# Altium PCB esp32.PcbDoc (part 2 of 2)
Units mil, origin at the board's own origin, x right, y up, seen from the top; angles counter-clockwise.
Board outline 2700 x 1000 mil, 4 copper layers (L1, L2, L3, L4), stack 61.59 mil thick; 63 components, 73 nets, 297 pads, 143 vias.
Unrouted connection lines stored in the file: 1.
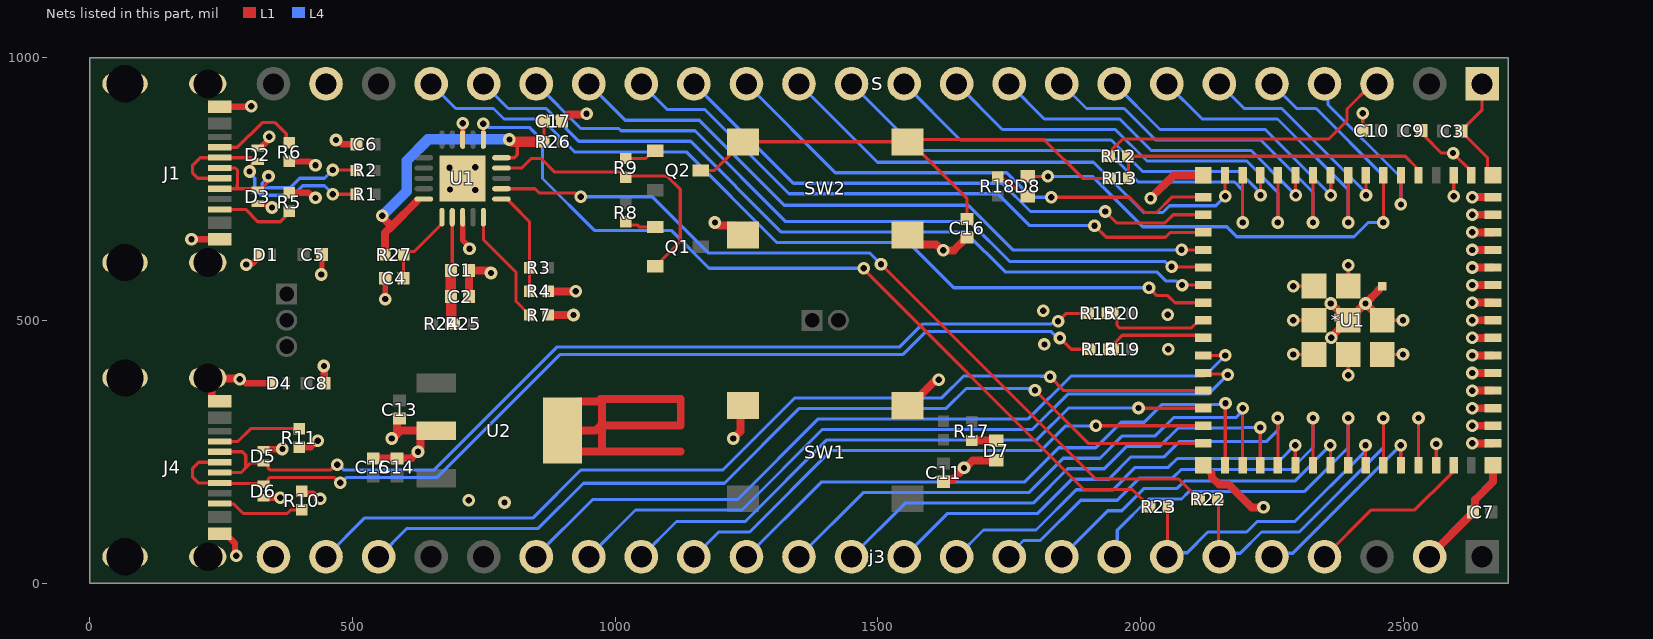
[diagram p4: the nets of this part, all layers, seen from the top]

## Via types
v1: diameter 24, hole 12, L1 to L4, tented both sides, 143 vias

## Nets (pads, with @x,y where several pads share a name; then routed paths per layer and width w, separated by ;. In a path a pad name is that pad's centre, name@x,y a point inside that pad or via, vN(x,y) a via of type N, cw(c..) or ccw(c..) an arc to the next point about the centre after c; other vN are vias at no path point) (continued)
GND: *U1.1 *U1.2 *U1.42 *U1.43 *U1.46 *U1.47 *U1.48 *U1.49 *U1.50 *U1.51 *U1.52 *U1.53 *U1.54 *U1.55 *U1.56 *U1.57 *U1.58 *U1.59 *U1.60 *U1.61 *U1.62 *U1.63 *U1.64 *U1.65 *U1.66 *U1.67 *U1.68 *U1.69 *U1.70 *U1.71 *U1.72 *U1.73 C1.1 C2.1 C3.1 C4.1 C5.1 C6.1 C7.1 C8.1 C9.1 C10.1 C11.1 C13.1 C14.1 C15.1 C16.1 C17.1 D1.1 D2.1 D3.1 D4.1 D5.1 D6.1 D7.1 J1.A1B12 J1.B1A12 J1.S1 J1.S2 J1.S3 J1.S4 j3.2 j3.24 J4.A1B12 J4.B1A12 J4.S1 J4.S2 J4.S3 J4.S4 R4.1 R5.1 R6.1 R7.1 R10.1 R11.1 S.1 S.23 SW1.1 SW1.2 SW2.1 SW2.2 U1.3 U1.13 U1.21 U2.2 U2.4 | length 4965.7
  L1 w6: v1(2290.62,435.04) *U1.73@2330.08,435.04 ; v1(2290.62,500) *U1.72@2330.08,500 ; v1(2290.62,564.96) *U1.71@2330.08,564.96 ; v1(2395.04,395.58) *U1.70@2395.04,435.04 ; *U1.69@2395.04,564.96 v1(2395.04,604.42) ; C10.1@2422.68,861 v1(2422.68,893.68) ; *U1.68@2460,435.04 v1(2499.46,435.04) ; *U1.67@2460,500 v1(2499.46,500) ; *U1.42@2528.9,224.41 v1(2528.9,314.04) ; C9.1@2534.32,861 2540.81,854.51 2540.81,849.95 2572.62,818.15 v1(2594.61,818.15) 2629.29,783.46 *U1.1@2629.29,775.59 ; *U1.43@2562.18,224.72 2562.68,225.22 v1(2562.68,264.68) ; v1(2595.83,736.13) *U1.2@2595.83,775.59 ; C3.1@2610.32,860 2610.32,859.29 2659.88,809.73 2659.88,786.34 *U1.62@2670.63,775.59 ; C3.1@2610.32,860.71 2650,900.39 S.1@2650,950
  L1 w10.01: v1(441,587) 442.32,588.32 C5.1@442.32,625 ; C4.1@562.68,580 v1(562.68,540.32) v1@563,540 ; U1.13@710,696.18 710,652.79 723,639.79 v1(723,636) ; U1.3@710,843.82 v1(710,875) ; v1@943.61,893 v1@948,893
  L1 w12: v1(194,654) J1.B1A12@247.61,653.97 ; J4.B1A12@247.64,94.09 258.46,94.09 276.7,75.85 276.7,54.3 v1(279,52) ; J1.A1B12@247.64,905.91 248.18,906.45 307.45,906.45 v1(308,907) ; v1(286,388) 289.25,388 297.25,380 D4.1@348.2,380 ; v1(298,606) 300.3,608.3 310.42,608.3 322.2,620.08 D1.1@322.2,625 ; D3.1@320,722.2 320.89,721.32 337.17,721.32 343.93,714.56 v1(347.17,714.56) ; D2.1@320,827.8 324.92,827.8 339.7,842.58 339.7,846.7 v1(342,849) ; D6.1@331,162.2 331.4,162.6 331.8,162.2 v1(363,162.2) ; D5.1@331,253.8 331.6,254.4 366.4,254.4 v1(367,255) ; R5.1@380,742.72 416.81,742.72 426.75,732.77 v1(430,732.77) ; R6.1@380,802.28 419.47,802.28 426.75,795 v1(430,795) ; R11.1@399,258.28 421.28,258.28 v1(434,271) ; R10.1@404,174.72 408.83,169.89 425.86,169.89 435.75,160 v1(439,160) ; v1(469,843) 472.25,843 480.25,835 C6.1@507.68,835
  L1 w15: J4.S1@225,390.16 232.5,382.66 232.5,350.37 J4.A1B12@236.81,346.06 ; J4.S1@232.5,389.08 284.92,389.08 v1(286,388) ; v1@362.6,161.81 v1(363,162.2) ; v1@366.9,254.9 v1(367,255) ; v1(446,413) 446.66,412.34 446.66,380.66 C8.1@447.32,380 ; C15.1@540,237.32 C14.1@585,237.32 612.32,237.32 v1(625,250) 625,252.44 630.02,257.46 630.02,279.78 U2.2@640.24,290 ; v1(575,275) 577.44,275 592.44,290 U2.2@659.92,290 ; 585.3,287.73 585.3,308.69 589.29,312.68 C13.1@590,312.68 ; C2.1@722.32,545 C1.1@722.32,595 759,595 v1(764,590) ; R7.1@872.72,510 v1(921,510) ; R4.1@872.72,555 v1(925,555) ; C17.1@899.32,879 899.32,879.71 903.31,883.7 904.03,883.7 911.6,891.28 944.08,891.28 v1(945.81,893) v1@943.61,893 ; 1125,250 1075,250 1025,250 975,250 ; v1(1190,686) 1192.44,686 1197.94,680.49 1225.41,680.49 SW2.2@1243.5,662.4 ; v1(1225,275) 1238.58,288.58 1238.58,332.68 SW1.1@1243.5,337.6 ; SW1.2@1556.5,337.6 1561.42,337.6 1610.82,387 v1(1616,387) ; SW2.1@1556.5,662.4 1574.59,644.31 1611.25,644.31 1622.06,633.5 v1(1624.5,633.5) ; C11.1@1625,192.68 1628.99,196.67 1642.79,196.67 1664,217.88 v1(1664,219) 1666.44,219 1680.73,233.3 D7.1@1725,233.3 ; v1@1625,633 1644.61,633 1669.29,657.68 C16.1@1670,657.68 ; v1(2019,732) 2062.59,775.59 *U1.63@2119.45,775.59 ; *U1.64@2119.45,224.41 2135.41,208.44 2135.41,201.41 2149.5,187.33 2167.67,187.33 2211,144 v1(2234,144) ; v1(2362,532) 2363.04,532 *U1.61@2395.04,500 ; v1(2363,467) 2363,467.96 *U1.61@2395.04,500 ; *U1.67@2460,500 v1(2428,532) ; *U1.66@2460,564.96 2452.4,557.36 2452.4,556.4 v1(2428,532) ; j3.2@2550,50 2550,51.61 2632.68,134.29 C7.1@2632.68,135 2636.67,138.99 2636.67,158.67 2670.63,192.63 *U1.65@2670.63,224.41 ; v1(2631.17,265.75) *U1.46@2670.63,265.75 ; v1(2631.17,299.21) *U1.47@2670.63,299.21 ; v1(2631.17,332.68) *U1.48@2670.63,332.68 ; v1(2631.17,366.14) *U1.49@2670.63,366.14 ; v1(2631.17,399.61) *U1.50@2670.63,399.61 ; v1(2631.17,433.07) *U1.51@2670.63,433.07 ; v1(2631.17,466.54) *U1.52@2670.63,466.54 ; v1(2631.17,500) *U1.53@2670.63,500 ; v1(2631.17,533.46) *U1.54@2670.63,533.46 ; v1(2631.17,566.93) *U1.55@2670.63,566.93 ; v1(2631.17,600.39) *U1.56@2670.63,600.39 ; v1(2631.17,633.86) *U1.57@2670.63,633.86 ; v1(2631.17,667.32) *U1.58@2670.63,667.32 ; v1(2631.17,700.79) *U1.59@2670.63,700.79 ; v1(2631.17,734.25) *U1.60@2670.63,734.25 ; U2.4@900.08,290 900.08,315.59 929.98,345.49 968.06,345.49 972.56,350 975,350 ; U2.4@900.08,290 962.56,290 972.56,300 975,300 ; U2.4@900.08,290 900.08,279.9 929.98,250 975,250 ; 975,250 975,300 ; 975,300 975,350 ; 975,300 1025,300 1075,300 1125,300 1125,350 1075,350 1025,350 975,350 ; *U1.61@2395.04,500 2427.04,532 v1(2428,532)
  other v1: 789.51,153.18 721.33,157.45 2052.49,445.13 1817,454 2051.71,510.28 1815,518 734,748 686,749 685,790 734,791
GPIO0: *U1.4 R12.2 R13.2 | length 617.8
  L1 w6: R13.2@1977.72,770 1976.72,771 1976.72,811 R12.2@1975.72,812 2503.86,812 2526.02,789.84 2526.02,778.46 *U1.4@2528.9,775.59
GPIO0_BUTTON: C16.2 Q2.3 R13.1 SW2.3 SW2.4 | length 1029.2
  L1 w6: Q2.3@1163.31,785 1188.94,785 1217.99,814.06 1217.99,818.98 1238.58,839.57 SW2.4@1243.5,839.57 SW2.3@1556.5,839.57 1560.93,844 1815.73,844 1889.73,770 R13.1@1942.28,770 ; SW2.3@1561.42,839.57 1670,730.98 C16.2@1670,692.32
GPIO0_CON: R12.1 S.3 | length 584.2
  L1 w6: R12.1@1940.28,812 1946.11,817.83 1946.11,825.26 1965.85,845 2358,845 2392.88,879.88 2392.88,902.07 2440.82,950 S.3@2450,950
GPIO1: *U1.5 S.4 | length 345
  L1 w6: v1(2495.43,720.43) *U1.5@2495.43,775.59
  L4 w6: S.4@2350,950 2356.73,943.27 2356.73,910.27 2495.43,771.57 v1(2495.43,720.43)
GPIO2: *U1.6 D8.1 S.5 | length 1198.8
  L1 w6: D8.1@1785,773.7 v1(1823.7,773.7) ; v1(2461.97,685.96) *U1.6@2461.97,775.59
  L4 w6: v1(1823.7,773.7) 1908.3,773.7 2004,678 2164.03,678 2183.07,658.96 2406.22,658.96 2433.22,685.96 v1(2461.97,685.96) 2461.97,775.03 2334,903 2297,903 S.5@2250,950
GPIO3: *U1.7 S.6 | length 407.4
  L1 w6: *U1.7@2428.5,775.59 2428.75,775.34 2428.75,738.25 v1(2429,738)
  L4 w6: S.6@2150,950 2197,903 2268.72,903 2422.27,749.45 2422.27,748.52 2429,741.79 v1(2429,738)
GPIO4: *U1.8 S.7 | length 580.6
  L1 w6: v1(2395.04,685.96) *U1.8@2395.04,775.59
  L4 w6: S.7@2050,950 2117,883 2260.43,883 2395.04,748.39 v1(2395.04,685.96)
GPIO5: *U1.9 S.8 | length 537.1
  L1 w6: v1@2361.82,738.25 *U1.9@2361.82,775.34
  L4 w6: S.8@1950,950 2037,863 2237.28,863 2348.11,752.17 2348.11,751.96 v1(2362.07,738)
GPIO6: *U1.10 S.9 | length 711
  L1 w6: v1(2328.11,685.96) *U1.10@2328.11,775.59
  L4 w6: S.9@1850,950 1897,903 1968.72,903 2028.72,843 2229,843 2328.11,743.89 v1(2328.11,685.96)
GPIO7: *U1.11 S.10 | length 670.1
  L1 w6: v1@2294.89,738.25 *U1.11@2294.89,775.34
  L4 w6: S.10@1750,950 1817,883 1960.43,883 2020.43,823 2210.28,823 2281.18,752.1 2281.18,751.96 v1(2295.14,738)
GPIO8: *U1.12 S.11 | length 844.1
  L1 w6: v1(2261.18,685.96) *U1.12@2261.18,775.59
  L4 w6: S.11@1650,950 1737,863 1952.15,863 2012.15,803 2202,803 2261.18,743.82 v1(2261.18,685.96)
GPIO9: *U1.13 S.12 | length 805.5
  L1 w6: v1@2227.96,738.25 *U1.13@2227.96,775.34
  L4 w6: S.12@1550,950 1657,843 1943.86,843 2003.86,783 2187.28,783 2214.25,756.03 2214.25,755.73 2228.21,741.77 v1(2228.21,738)
GPIO10: *U1.14 S.13 | length 979.4
  L1 w6: v1(2194.25,685.96) *U1.14@2194.25,775.59
  L4 w6: S.13@1450,950 1577,823 1935.58,823 1995.58,763 2179,763 2194.25,747.75 v1(2194.25,685.96)
GPIO11: *U1.15 S.14 | length 965
  L1 w6: *U1.15@2160.79,775.59 2160.79,736.21 v1(2161,736)
  L4 w6: S.14@1350,950 1499.3,800.7 1910.3,800.7 2006,705 2042,705 2055,718 2143,718 v1(2161,736)
GPIO12: *U1.16 S.15 | length 983
  L1 w6: v1(1830,734) 1978.82,734 2007.82,705 2030.18,705 2059.44,734.25 *U1.16@2119.45,734.25
  L4 w6: S.15@1250,950 1419.3,780.7 1745,780.7 1791.7,734 v1(1830,734)
GPIO13: *U1.17 S.16 | length 1085.8
  L1 w6: v1(1933,707) 1955,685 2046.22,685 2062.01,700.79 *U1.17@2119.45,700.79
  L4 w6: S.16@1150,950 1339.3,760.7 1736.72,760.7 1790.42,707 v1(1933,707)
GPIO14: *U1.18 S.17 | length 1194.3
  L1 w6: v1(1912.34,680) 1934.34,658 2047.51,658 2056.83,667.32 *U1.18@2119.45,667.32
  L4 w6: S.17@1050,950 1099,901 1170.72,901 1331.01,740.7 1728.43,740.7 1789.13,680 v1(1912.34,680)
GPIO15: *U1.19 S.18 | length 1300.4
  L1 w6: v1(2078,634) 2078.07,633.93 *U1.19@2119.45,633.86 *U1.19@2119.45,633.86
  L4 w6: S.18@950,950 1019.5,880.5 1160.32,880.5 1322,718.82 1672,718.82 1756.82,634 v1(2078,634)
GPIO16: *U1.20 S.19 | length 1414.3
  L1 w6: v1(2059,602) 2059.8,601.2 2118.65,601.2 *U1.20@2119.45,600.39
  L4 w6: S.19@850,950 935,865 1006.72,865 1011.22,860.5 1152,860.5 1324.73,687.77 1674.77,687.77 1750.53,612 2046.14,612 2056.14,602 v1(2059,602)
GPIO17: *U1.21 S.20 | length 1528.1
  L1 w6: v1(2078.93,566.93) *U1.21@2119.45,566.93
  L4 w6: S.20@750,950 797,903 868.72,903 931.22,840.5 1143.72,840.5 1316.45,667.77 1666.48,667.77 1742.25,592 2030.82,592 2047.82,575 2067.07,575 2075.14,566.93 v1(2078.93,566.93)
GPIO18: *U1.22 S.21 | length 1642
  L1 w6: v1(2016,562) 2031,547 2052,547 2065.54,533.46 *U1.22@2119.45,533.46
  L4 w6: S.21@650,950 697,903 768.72,903 788.72,883 860.43,883 922.93,820.5 1135.43,820.5 1308.17,647.77 1559,647.77 1644.77,562 v1(2016,562)
GPIO21: *U1.25 j3.19 | length 1512.1
  L1 w6: *U1.25@2119.45,433.07 v1(2160.93,433.07)
  L4 w6: j3.19@850,50 850,51.72 957.28,159 1233.15,159 1386.5,312.35 1786.08,312.35 1867.73,394 2121.86,394 v1(2160.93,433.07)
GPIO26: *U1.26 j3.18 | length 1407.4
  L1 w6: *U1.26@2119.45,399.61 2121.25,397.8 2164.2,397.8 v1(2166,396)
  L4 w6: j3.18@950,50 1039,139 1241.43,139 1394.78,292.35 1794.36,292.35 1862.01,360 2130,360 v1(2166,396)
GPIO33: *U1.28 j3.17 | length 1186.8
  L1 w6: v1(1996,333) 1996.32,332.68 *U1.28@2119.45,332.68
  L4 w6: j3.17@1050,50 1117,117 1247.72,117 1403.07,272.35 1493.44,272.35 1802.65,272.35 1863.29,333 v1(1996,333)
GPIO34: *U1.29 j3.16 | length 1072.7
  L1 w6: v1(1915,299) 1915.21,299.21 *U1.29@2119.45,299.21
  L4 w6: j3.16@1150,50 1197,97 1256,97 1411.35,252.35 1810.93,252.35 1857.58,299 v1(1915,299)
GPIO35: *U1.31 j3.15 | length 1150.2
  L1 w6: *U1.31@2160.54,224.66 2161.16,225.28 2161.16,341.62 v1(2161.54,342)
  L4 w6: j3.15@1250,50 1392,192 1778.86,192 1844.38,257.52 1914.52,257.52 1963,306 2007.18,306 2041.18,340 2159.54,340 v1(2161.54,342)
GPIO36: *U1.32 j3.14 | length 1072.9
  L1 w6: *U1.32@2194.25,224.41 v1(2194.25,332.72)
  L4 w6: j3.14@1350,50 1472,172 1787.15,172 1852.67,237.52 1922.8,237.52 1965.28,280 2028.14,280 2063.14,315 2182.08,315 2187.93,320.86 2187.93,322.62 2194.25,328.94 v1(2194.25,332.72)
GPIO37: *U1.33 j3.13 | length 951.6
  L1 w6: *U1.33@2227.72,224.41 2227.72,295.72 v1(2228,296)
  L4 w6: j3.13@1450,50 1552,152 1795.43,152 1860.95,217.52 1931.09,217.52 1973.57,260 2036.43,260 2071.43,295 2190.36,295 2191.36,296 v1(2228,296)
GPIO38: *U1.34 j3.12 | length 923.7
  L1 w6: *U1.34@2261.18,224.41 v1(2261.18,314.04)
  L4 w6: j3.12@1550,50 1632,132 1803.72,132 1869.23,197.52 1939.37,197.52 1981.85,240 2044.71,240 2073.71,269 2239.18,269 2261.18,291 v1(2261.18,314.04)
GPIO39: *U1.35 j3.11 | length 769.1
  L1 w6: *U1.35@2294.4,224.66 v1@2294.4,261.75
  L4 w6: j3.11@1650,50 1701,101 1801,101 1877.52,177.52 1947.66,177.52 1990.14,220 2052.99,220 2069.99,237 2268.69,237 2293.69,262 v1(2294.15,262)
GPIO40: *U1.36 j3.10 | length 812.3
  L1 w6: *U1.36@2328.11,224.41 v1(2328.11,314.04)
  L4 w6: j3.10@1750,50 1750,53.82 1777.18,81 1809.28,81 1885.8,157.52 1955.94,157.52 1998.42,200 2061.28,200 2077.28,216 2286.33,216 2328.11,257.78 v1(2328.11,314.04)
GPIO41: *U1.37 j3.9 | length 636
  L1 w6: *U1.37@2361.33,224.66 v1@2361.33,261.75
  L4 w6: j3.9@1850,50 1937.52,137.52 1964.22,137.52 2006.71,180 2069.56,180 2083.56,194 2293.08,194 v1(2361.08,262)
GPIO42: *U1.38 j3.8 | length 703.4
  L1 w6: *U1.38@2395.04,224.41 v1(2395.04,314.04)
  L4 w6: j3.8@1950,50 1955.73,55.73 1955.73,100.73 2015,160 2077.85,160 2091.85,174 2311.26,174 2395.04,257.78 v1(2395.04,314.04)
GPIO45: *U1.41 j3.5 | length 369.9
  L1 w6: *U1.41@2495.19,224.66 v1@2495.19,261.75
  L4 w6: j3.5@2250,50 2256.77,56.77 2289.77,56.77 2481.97,248.97 2481.97,249.03 v1(2494.94,262)
GPIO46: *U1.44 j3.4 | length 324.7
  L1 w6: j3.4@2350,50 2439.13,139.13 2521.92,139.13 2585.24,202.45 2592.95,210.16 2592.95,221.54 *U1.44@2595.83,224.41
GPIO47: *U1.27 j3.23 | length 1823.5
  L1 w6: v1(1827.77,392.23) 1853.86,366.14 *U1.27@2119.45,366.14
  L4 w6: j3.23@450,50 524,124 844,124 935,215 1205,215 1342.35,352.35 1621.89,352.35 1663.53,394 1810.18,394 1810.77,393.41 1826.59,393.41 v1(1827.77,392.23)
GPIO48: *U1.30 j3.22 | length 1745.2
  L1 w6: v1(1799,367) 1900.25,265.75 *U1.30@2119.45,265.75
  L4 w6: j3.22@550,50 604,104 854,104 940,190 1208.28,190 1350.64,332.35 1630.17,332.35 1667.82,370 1786.14,370 1786.46,369.68 1796.32,369.68 v1(1799,367)
NetC1_2: C1.2 C2.2 R24.2 R25.2 U1.12 | length 191.6
  L1 w6: C1.2@687.52,595.16 690.08,597.72 690.08,683.31 U1.12@690.24,683.46
  L1 w20: C1.2@687.68,595 C2.2@687.68,545 687.84,544.84 687.84,493.16 R24.2@688,493
NetC4_2: C4.2 R27.2 U1.11 | length 155
  L1 w6: C4.2@597.32,580 597.52,580.2 597.52,624.8 R27.2@597.72,625 603.54,630.83 617.91,630.83 670.63,683.54 U1.11@670.63,696.18
NetC17_2: C17.2 R26.2 R27.1 U1.10 U1.20 | length 682.1
  L1 w6: U1.10@623.46,727.46 623.46,730.55 623.54,730.63 U1.10@636.18,730.63 ; U1.20@783.82,809.37 808.14,809.37 814,815.23 814,831.14 801.14,844 v1(799,844) ; R26.2@864.28,840 864.48,840.2 C17.2@864.48,878.8
  L1 w15: v1(557,699) 557,696.56 574.5,679.06 574.5,678.5 ; R27.1@562.28,625 562.28,666.28 574.5,678.5 ; U1.10@623.46,727.46 574.5,678.5
  L1 w20: v1(799,844) 800.08,844 804.08,840 R26.2@864.28,840
  L4 w20: v1(557,699) 603.4,745.4 603.4,803.4 644,844 v1(799,844)
NetD7_2: D7.2 R17.1 | length 46.2
  L1 w15: R17.1@1679,271.28 1679.29,270.99 1724.71,270.99 D7.2@1725,270.7
NetD8_2: D8.2 R18.1 | length 72.1
  L1 w6: R18.1@1728,772.72 1733.83,766.89 1745.01,766.89 1768.79,743.11 1778.19,743.11 D8.2@1785,736.3
NetJ1_A5: J1.A5 R6.2 | length 174.3
  L1 w6: J1.A5@247.64,829.13 281.42,829.13 328.29,876 353.18,876 374.17,855.01 374.17,843.54 R6.2@380,837.72
NetJ1_B5: J1.B5 R5.2 | length 151.8
  L1 w6: J1.B5@247.64,711.02 296.92,711.02 320.39,687.56 328,687.56 351.44,687.56 362.88,687.56 374.17,698.85 374.17,701.46 R5.2@380,707.28
NetJ4_A5: J4.A5 R11.2 | length 161.5
  L1 w6: J4.A5@247.64,269.29 282.29,269.29 306.72,293.72 R11.2@399,293.72
NetJ4_B5: J4.B5 R10.2 | length 167.2
  L1 w6: J4.B5@247.64,151.18 248.54,150.28 274.72,150.28 292.79,132.21 310,132.21 376.18,132.21 383.26,139.28 R10.2@404,139.28
NetQ1_1: Q1.1 R8.2 | length 60.8
  L1 w6: R8.2@1020,687.28 1025.83,681.46 1041.89,681.46 1045.94,677.4 Q1.1@1076.69,677.4
NetQ2_1: Q2.1 R9.2 | length 62.8
  L1 w6: R9.2@1020,807.72 1058.07,807.72 1072.76,822.4 Q2.1@1076.69,822.4
NetR3_1: R3.1 R4.2 U1.16 | length 205.2
  L1 w6: U1.16@783.82,730.63 796.46,730.63 796.54,730.55 796.54,728.37 806,718.91 837.28,687.63 R3.1@837.28,600 R4.2@837.28,555
NetR7_2: R7.2 U1.15 | length 222.6
  L1 w6: U1.15@749.37,696.18 749.37,653.63 811.46,591.54 811.46,535.83 R7.2@837.28,510
RTS_C: Q1.2 R9.1 U1.19 | length 542.3
  L1 w6: U1.19@783.82,789.68 822.75,789.68 841.07,808 859.06,808 885.17,781.89 1010.39,781.89 R9.1@1020,772.28 1022.13,774.41 1098.65,774.41 1124,749.06 1124,649.91 1087.44,613.35 1087.44,609.41 1080.63,602.6 Q1.2@1076.69,602.6
RXD_C: R23.1 U1.1 | length 1644.1
  L1 w6: v1(749,874) 749.37,873.63 U1.1@749.37,843.82 ; v1(1473,599) 1473,597 1892,178 1984.28,178 R23.1@2017.28,145
  L4 w6: v1(749,874) 752.79,874 759.79,867 837,867 862,842 862,769.71 960.71,671 1106.72,671 1178.72,599 v1(1473,599)
TXD_C: R22.1 U1.17 | length 1572.4
  L1 w6: U1.17@783.82,750.32 847.68,750.32 856.11,741.89 862,741.89 924.21,741.89 931.21,734.89 v1(935,734.89) ; v1(1506.13,606.65) 1914.77,198 2072.28,198 R22.1@2111.28,159
  L4 w6: v1(935,734.89) 1071.11,734.89 1178.23,627.77 1485.01,627.77 v1(1506.13,606.65)
U0RXD: *U1.40 j3.6 R22.2 | length 654.6
  L1 w6: R22.2@2146.72,159 2148.36,157.36 2148.36,51.64 j3.6@2150,50 ; *U1.40@2461.97,224.41 v1(2461.97,314.04)
  L4 w6: j3.6@2150,50 2156.73,56.73 2189.73,56.73 2230,97 2301.72,97 2461.97,257.25 v1(2461.97,314.04)
U0TXD: *U1.39 j3.7 R23.2 | length 605.1
  L1 w6: j3.7@2050,50 2051.36,51.36 2051.36,143.64 R23.2@2052.72,145 ; *U1.39@2428.26,224.66 v1@2428.26,261.75
  L4 w6: j3.7@2050,50 2057.73,57.73 2088.73,57.73 2128,97 2201.72,97 2221.72,117 2293.43,117 2425.33,248.9 2425.33,259.32 v1(2428.01,262)
USB1_N: D2.2 J1.A7 J1.B7 R1.1 | length 476.7
  L1 w6.23: J1.A7@247.64,770.08 206.08,770.08 196,780.16 196,795 210.45,809.45 J1.B7@247.64,809.45 307.83,809.45 D2.2@315.08,802.2 ; v1(304.51,783) 307.91,786.4 307.91,795.03 D2.2@315.08,802.2 ; D2.2@320,802.2 D2.2@315.08,802.2 ; v1(463,740) R1.1@507.28,740
  L4 w6.23: v1(304.51,783) 304.51,780.36 314.4,770.47 314.4,749.62 326.38,737.63 345.84,737.63 346.1,737.9 387.63,737.9 405.61,755.89 447.11,755.89 v1(463,740)
USB1_P: D3.2 J1.A6 J1.B6 R2.1 | length 397.1
  L1 w6.23: J1.B6@247.64,750.39 278.39,750.39 ; J1.A6@247.64,789.76 277.59,789.76 281.39,785.96 281.39,759.57 281.24,759.42 281.24,753.24 278.39,750.39 ; D3.2@317.4,750.39 278.39,750.39 ; D3.2@320,747.8 324.92,747.8 337.34,760.22 337.34,770.41 v1(340.63,773.7) ; v1(463,786) 506.28,786 R2.1@507.28,785
  L4 w6.23: v1(340.63,773.7) 340.63,773.16 328.63,761.17 328.63,755.51 332.28,751.86 339.94,751.86 340.21,752.13 381.73,752.13 399.72,770.11 447.11,770.11 v1(463,786)
USB2_N: D5.2 J4.A7 J4.B7 R15.1 | length 1876.8
  L1 w6.23: J4.A7@247.64,210.24 288.24,210.24 297,219 ; J4.B7@247.64,249.61 290.35,249.61 297,242.96 297,219 ; v1(471.11,225) 468.46,225 458.57,215.11 343.35,215.11 339.7,218.76 339.7,224.43 335.92,228.2 D5.2@331,228.2 306.2,228.2 297,219 ; v1(1842.98,498.16) 1843.49,498.16 1858.33,513 R15.1@1900.57,513
  L4 w6.23: v1(471.11,225) 473.76,225 483.64,215.11 656.11,215.11 890.23,449.23 1542.11,449.23 1585.91,493.04 1830.45,493.04 1832.17,494.76 1839.58,494.76 v1(1842.98,498.16)
USB2_P: D6.2 J4.A6 J4.B6 R16.1 | length 1932.7
  L1 w6.23: J4.A6@247.64,229.92 207.92,229.92 196,218 196,201 206.45,190.55 J4.B6@247.64,190.55 249.02,189.17 329.62,189.17 D6.2@331,187.8 335.92,187.8 339.7,191.57 339.7,197.24 343.35,200.89 464.47,200.89 474.35,191 v1(477,191) ; v1(1846.52,466.36) 1867.87,445 R16.1@1903.57,445
  L4 w6.23: v1(477,191) 479.65,191 489.53,200.89 662.01,200.89 896.12,435 1548,435 1591.81,478.81 1829.43,478.81 1841.88,466.36 v1(1846.52,466.36)
USBESP32_N: *U1.23 R15.2 R20.2 | length 225.2
  L1 w6.03: R15.2@1936,513 R15.2@1943.81,505.19 ; R20.2@1947.28,513 1943.8,509.51 1948.12,505.19 R15.2@1943.81,505.19 ; *U1.23@2119.45,500 2111.57,500 2097,485.42 1959.66,485.42 1955.1,489.99 1955.1,505.19 R15.2@1943.81,505.19
USBESP32_P: *U1.24 R16.2 R19.2 | length 193.5
  L1 w6.03: R16.2@1939,445 1955.34,461.34 1955.34,461.57 1965.17,471.39 2114.59,471.39 *U1.24@2119.45,466.54
pads on no net: J1.A8 J1.B8 J4.A8 J4.B8 S.24 U1.2 U1.4 U1.5 U1.6 U1.7 U1.14

## Polygon pours and split planes (outlines as drawn)
GND on L1 "GND_L01_P014" (solid, pour order 14): 1161.97,107.22 1147.65,97.1 813.91,97.09 806,105 806,223 499.14,226.96 493,233.1 493,318.86 499.14,325 679,325 806,452 920.16,451.52 967.48,497.12 967.48,564 981,579.28 1136.36,579.72 1142.8,575 1142.8,559.8 1159,542 1159,427.34
GND on L1 "GND_L01_P023" (solid, pour order 23): 2275.5,436 2275.5,595.5 2300,618 2493,618 2516,583 2516,573 2516,409 2489,382 2296,382 2275.5,400.5
GND on L1 "GND_L01_P022" (solid, pour order 22): 2687,985 2687,760 2682.86,755.86 2593.14,755.86 2585,764 2585,826 2600,849 2599,850 2599,985
GND on L1 "GND_L01_P021" (solid, pour order 21): 714.78,604.22 704.65,614.35 704.65,645 727.69,653.69 778,603.37 758.55,607
GND on L1 "GND_L01_P020" (solid, pour order 20): 711,533 711,608 713,610 772,610 778,604 778,577 734,533
GND on L1 "GND_L01_P019" (solid, pour order 19): 862,494.96 862,568 932,568 937,563 937,506 925,494.96
"+5V VBUS2" on L1 "+5V_VBUS2_L01_P018" (solid, pour order 18): 363,415 353,425 353,464 363,474 418,474 425,467 424,466 424,333 394,333 364,303 222,303 222,325 221,326 295,326 330,361 363,361
"+5V VBUS" on L1 "+5V_VBUS_L01_P017" (solid, pour order 17): 432,480 517,395 517,335 669,335 697,363 697,398 582,398 460,520 327,520 327,480
GND on L1 "GND_L01_P016" (solid, pour order 16): 320,269 320,247 358,247 362,243 446,243 446,284 430,284 416,270 413,270
GND on L1 "GND_L01_P015" (solid, pour order 15): 225,334 288,334 322,368 353,368 355,370 355.05,406 352,410 195,410 189,404 189,340.33 192.8,334
NetR3_1 on L1 "NETR3_1_L01_P012" (solid, pour order 12): 827,544 827,691 828,692 848,692 848,544
NetC1_2 on L1 "NETC1_2_L01_P011" (solid, pour order 11): 676,482.24 676,623.3 690.97,630.03 695,626 699,622 699,503 704,503 705,504 705,483
NetC4_2 on L1 "NETC4_2_L01_P010" (solid, pour order 10): 586,568 586,635 636,685 669.17,685 670.63,683.54 670,682.91 670,676 617,623 617,568
NetC17_2 on L1 "NETC17_2_L01_P009" (solid, pour order 9): 544,614 574,614 574,667 628,721 617,732 574,732 544,702
NetC17_2 on L1 "NETC17_2_L01_P006" (solid, pour order 6): 876,891 875,890 875,829 835,829 811,805 766,805 766,828 829,891 853,891
"+5V VBUS1" on L1 "+5V_VBUS1_L01_P004" (solid, pour order 4): 341,666 341,530 419,530 419,534 419,538 419,666
"+5V VBUS" on L1 "+5V_VBUS_L01_P003" (solid, pour order 3): 697,398 535,398 535,335 603,335 669,335 697,363
+3V3_REG on L1 "+3V3_REG_L01_P002" (solid, pour order 2): 528,217 698,217 698,183 663,148 528,148
+3v3 on L1 "+3V3_L01_P000" (solid, pour order 0): 2445,846 2445,895 2459,909 2513,909 2513,845.08
GND on L2 "GND_L02_P032" (solid, pour order 32): 25.79,25.39 33.77,17.42 2682.79,17.42 2681.79,830 2535,983.39 2681.79,983.39 25.79,983.39
+3v3 on L2 "+3V3_L02_P031" (solid, pour order 31): 1287,816 1372,726 1372,568 1406,534 1406,496 1445,496 1457,491 1457,725 1684,725 1654,816
+3v3 on L2 "+3V3_L02_P030" (solid, pour order 30): 2600.98,17.02 2682,17.02 2682,882.25 2669.49,894.49 2607.78,894.78 2594.28,905.24 2593.9,970.34 2581.25,983 920,983 902.9,975.1 902.9,936.97 868,899.86 868,812 1574,812 1591.95,792.95 1625.5,760.5 1723.2,666 1861,666 1967,772 2485,772 2516,741 2516,532 2546,502 2546.75,152.27 2368.55,152.27 2311.64,95.36 2311.64,17.02 2516,17.02 2587.98,17.02
+3V3_REG on L2 "+3V3_REG_L02_P027" (solid, pour order 27): 624,180 550,180 539,169 539,144 549,134 656,134 734,212 734,221 925,221 943,239 943,248 907,283 727,283
+3v3 on L2 "+3V3_L02_P025" (solid, pour order 25): 2583,963 2583,848 2537,802 2536,803 2469,803 2448,824 2449,825 2449,903 2466,911 2490,911 2517,938 2517,978 2521,982 2581.25,982 2583,980
"+5V VBUS" on L4 "+5V_VBUS_L04_P029" (solid, pour order 29): 455,561 461,567 517,567 518,568 530,556 530,487 522,480 355,480 349,486 350,487 350,512 358,520 435,520 450,535 450,557
GND on L3 (split plane): 2699.95,0.05 0.05,0.05 0.05,999.95 2699.95,999.95

## Silkscreen, mask and mechanical layers (free items; w line width, h text height)
Top Overlay:
  lines w6: 488,815 562,815 ; 488,855 562,855 ; 668,575 742,575 ; 2397,873 2397,883 2480,883 ; 2480,839 2556,839 2636,839 2636,846
  text "J2" at 2256,851 h40
  text "USER" at 1710.55,655.2 h40
  text "BOOT" at 1331,578 h40
  text "P1" at 436,543 h40
  text "UART" at 36,529 h40
  text "+5" at 435,482 h40
  text "3V3" at 1481,481 h40
  text "REG" at 1206,471 h40
  text "ESP32" at 27,427 h40
  text "P2" at 441,421 h40
  text "RESET" at 1305,382 h40
  text "power" at 1655.55,353.53 h40
  text "j3" at 2326,119.33 h40
Bottom Overlay:
  text "NC" at 369,884 h40 r90
  text "GND" at 469,884 h40 r90
  text "+5V" at 569,884 h40 r90
  text "IO18" at 669,884 h40 r90
  text "IO17" at 769,884 h40 r90
  text "IO16" at 869,884 h40 r90
  text "IO15" at 969,884 h40 r90
  text "IO14" at 1069,884 h40 r90
  text "IO13" at 1169,884 h40 r90
  text "IO12" at 1269,884 h40 r90
  text "IO11" at 1369,884 h40 r90
  text "IO10" at 1469,884 h40 r90
  text "IO9" at 1569,884 h40 r90
  text "IO8" at 1669,884 h40 r90
  text "IO7" at 1769,884 h40 r90
  text "IO6" at 1874,884 h40 r90
  text "IO5" at 1974,884 h40 r90
  text "IO5" at 2074,884 h40 r90
  text "IO3" at 2174,884 h40 r90
  text "IO2" at 2274,884 h40 r90
  text "IO1" at 2374,884 h40 r90
  text "IO0" at 2469,884 h40 r90
  text "3V3" at 2574,884 h40 r90
  text "GND" at 2669,884 h40 r90
  text "ALTIUM DESINER" at 2544,626 h40
  text "GND" at 1334,561 h40
  text "RASITHA LAHIRU" at 2354,516 h50
  text "<C>2025 AUGUEST" at 2204,396 h40
  text "USB-" at 675.96,264.96 h40 r90
  text "IO35" at 1275.96,264.96 h40 r90
  text "IO41" at 1875.96,264.96 h40 r90
  text "GND" at 374,264 h40 r90
  text "IO47" at 474,264 h40 r90
  text "IO48" at 574,264 h40 r90
  text "IO21" at 874,264 h40 r90
  text "IO26" at 974,264 h40 r90
  text "IO33" at 1074,264 h40 r90
  text "IO34" at 1174,264 h40 r90
  text "IO37" at 1474,264 h40 r90
  text "IO38" at 1574,264 h40 r90
  text "IO39" at 1674,264 h40 r90
  text "IO40" at 1774,264 h40 r90
  text "TDX" at 2074.01,264.15 h40 r90
  text "RDX" at 2174,264 h40 r90
  text "IO45" at 2274,264 h40 r90
  text "I046" at 2374,264 h40 r90
  text "USB+" at 773.35,262.51 h40 r90
  text "IO36" at 1373.35,262.51 h40 r90
  text "IO42" at 1973.35,262.51 h40 r90
  text "EN" at 2464,254 h40 r90
  text "GND" at 2574,244 h40 r90
  text "3V3" at 2664,244 h40 r90
Top Solder:
  drawing of 71 lines, arcs and shapes, not listed
board shape:
  the board outline again, w20

## Text inside footprints (layer, text, board x,y; h text height)
j3: Bottom Overlay "1" at 2631,-44 h40 r270
j5: Top Overlay "1" at 296,526 h40